# Altium PCB ROKET_SİGMA.PcbDoc (part 1 of 2)
Units mm, origin at the board's own origin, x right, y up, seen from the top; angles counter-clockwise.
Board outline 123.01 x 66 mm, 2 copper layers (Top Layer, Bottom Layer); 104 components, 83 nets, 451 pads, 77 vias.
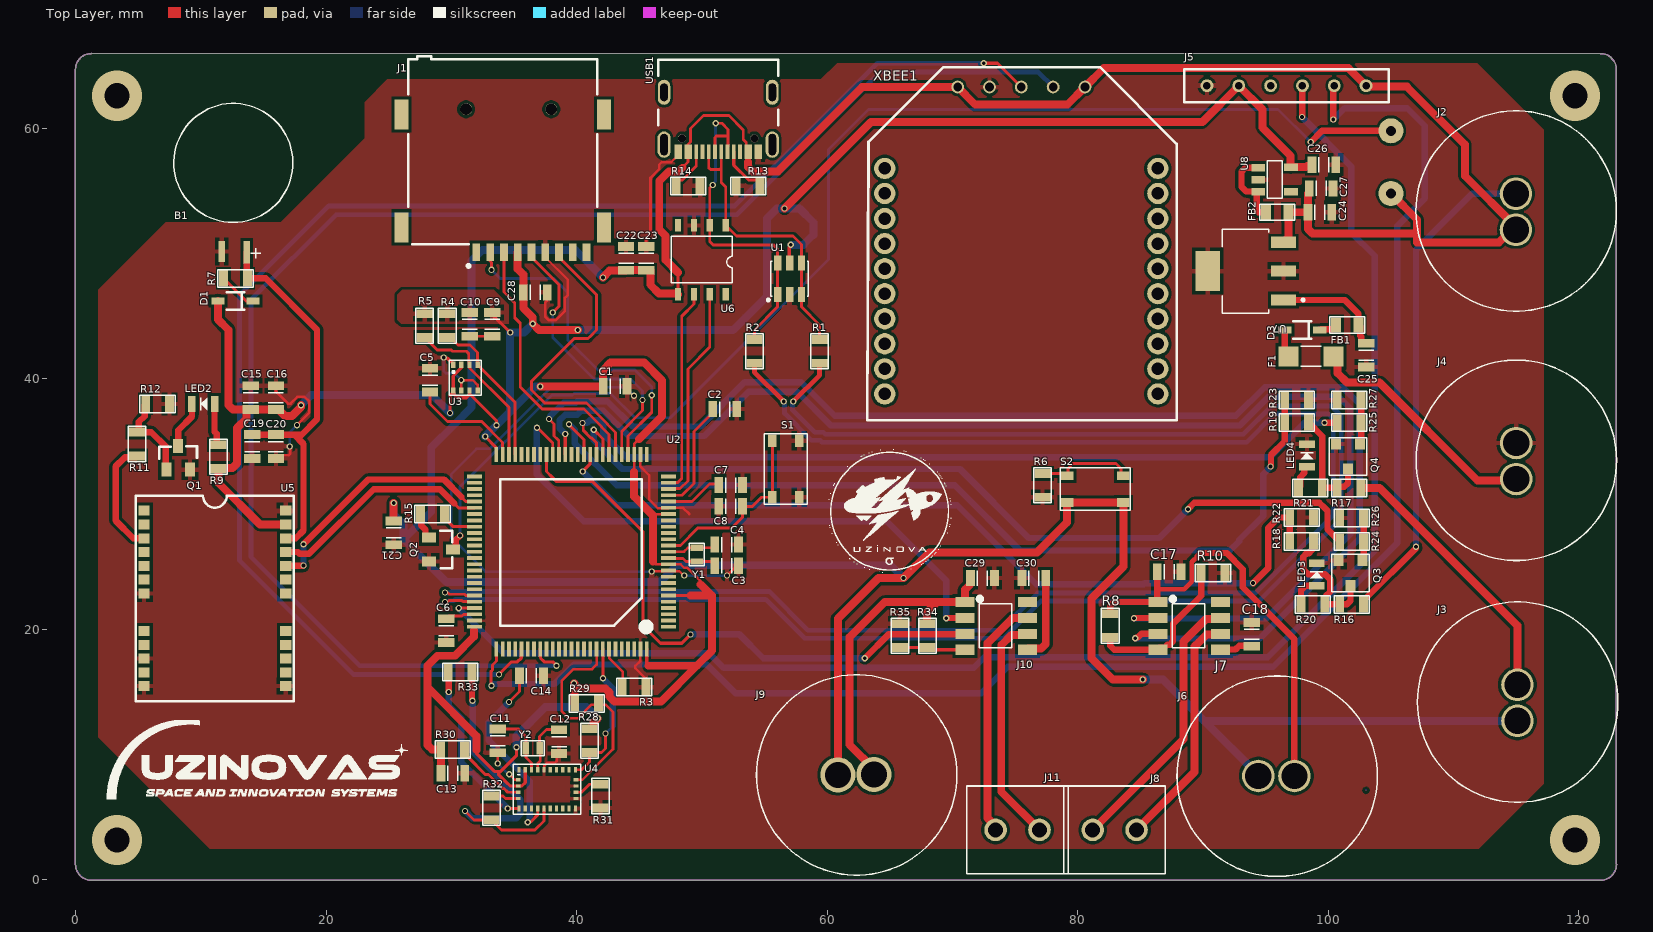
[diagram p0: Top Layer view]
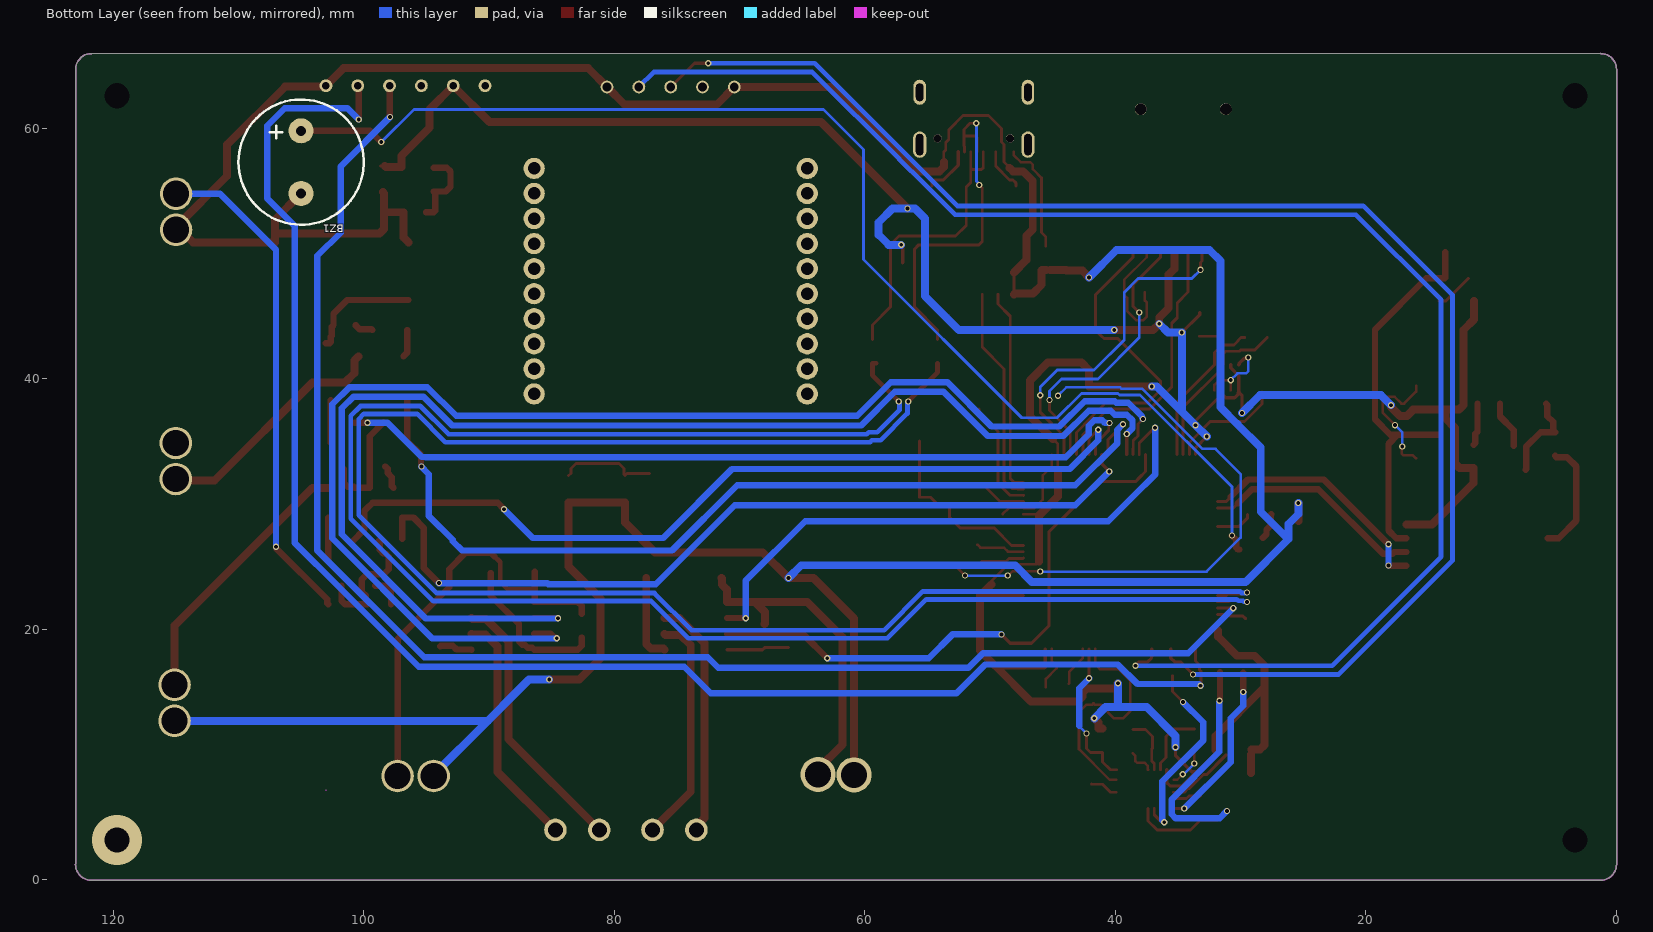
[diagram p1: Bottom Layer view, seen from below]
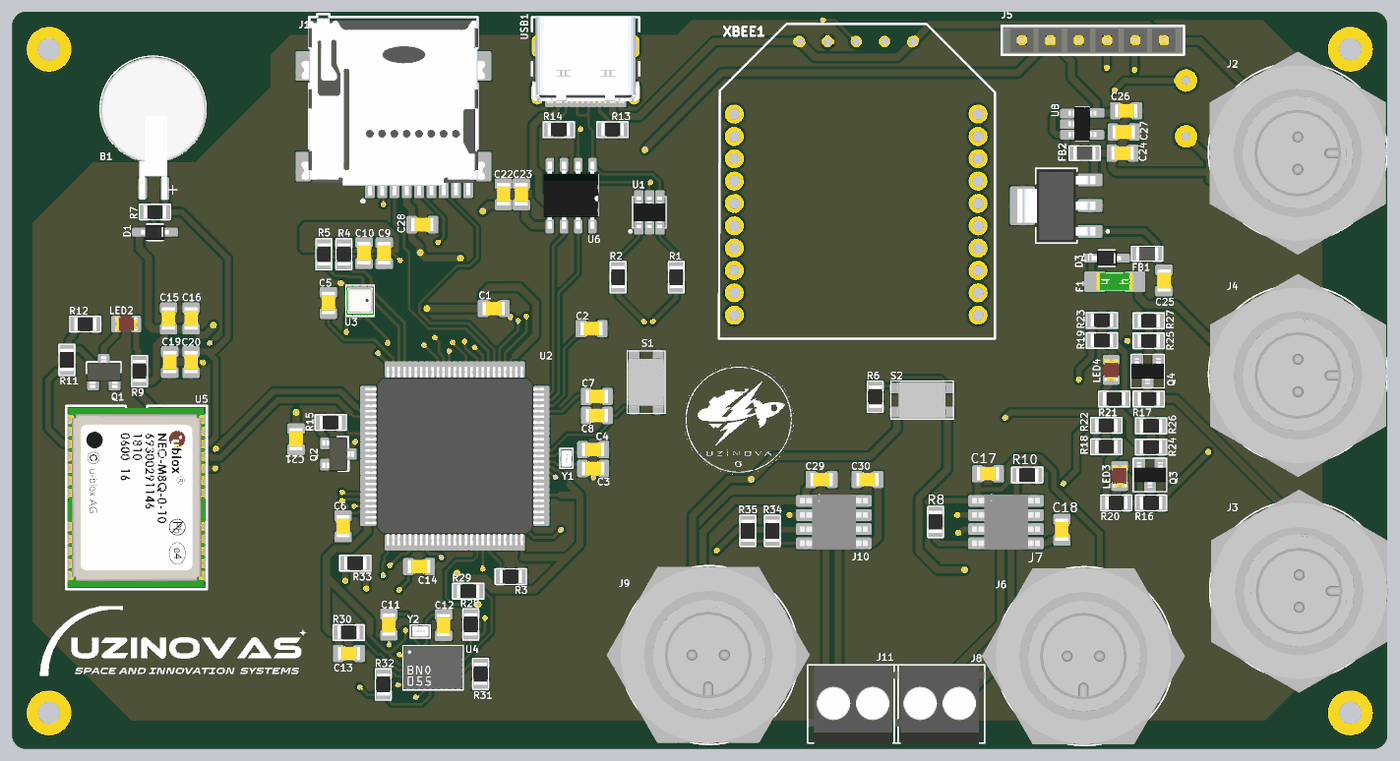
[diagram p3: 3D render of the assembled board from above, using the file's embedded part models]

## Layer stack, top to bottom
Top Solder: solder mask 0.0102, Solder Resist, Dk 3.5
Top Layer: signal copper 0.0356
Dielectric 1: dielectric 0.32, FR-4, Dk 4.8
Bottom Layer: signal copper 0.0356
Bottom Solder: solder mask 0.0102, Solder Resist, Dk 3.5

## Board outline
0,1.245 0,64.7 cw(c1.27,64.7) 1.27,65.97 1.27,65.974 121.7,65.969 121.73,65.97 cw(c121.73,64.7) 123,64.7 123,1.245 123.011,1.245 cw(c121.741,1.245) 121.741,-0.025 1.3,-0.025 1.27,-0.025 cw(c1.27,1.245)

## Design rules (kind name [scope] priority, off if disabled: settings)
Clearance [All] p1: gap=0.229 ignorepadtopadclearanceinfootprint=TRUE except(0: Arc-Text Track-Text SMDPad-Text THPad-Text Via-Text Fill-Text Poly-Text Region-Text Text-Text; 0.203: Arc-SMDPad Track-SMDPad SMDPad-SMDPad SMDPad-THPad THPad-THPad; 0.254: Arc-Arc Arc-Track Arc-THPad Arc-Via Track-Track Track-THPad Track-Via SMDPad-Via THPad-Via Via-Via)
ComponentClearance [All] p1: gap=0.127 collisioncheckmode=3 verticalgap=0 showdistances=FALSE
DiffPairsRouting [All] p1: maxlimit=0.254 minlimit=0.254 mostfreqgap=0.254 toplayer_minwidth=0.203 toplayer_maxwidth=0.381 toplayer_prefwidth=0.381 bottomlayer_minwidth=0.203 bottomlayer_maxwidth=0.381 bottomlayer_prefwidth=0.381 maxuncoupledlength=12.7
MinimumSolderMaskSliver [All] p1: minsoldermaskwidth=0.051
PasteMaskExpansion [All] p1: expansion=0.127
PlaneClearance [All] p1: clearance=0.762
PlaneConnect [All] p1: planeconnectstyle=Relief reliefexpansion=0.381 reliefentries=4 reliefconductorwidth=0.381 reliefairgap=0.254
PolygonConnect [All] p1: connectstyle=Relief reliefconductorwidth=0.381 reliefentries=4 polygonreliefangle="90 Angle" airgapwidth=0.254
RoutingCorners [All] p1: cornerstyle=45-Degree minsetback=2.032 maxsetback=2.032
RoutingVias [All] p1: holewidth=0.3 width=0.5 viastyle="Through Hole" minholewidth=0.25 minwidth=0.4 maxholewidth=0.5 maxwidth=1
SMDToCorner [All] p1: distance=0
SMDToPlane [All] p1: distance=150000
SilkToSilkClearance [All] p1 off: silktosilkclearance=0
SilkToSolderMaskClearance [IsPad] p1 off: minsilkscreentomaskgap=0.127 clearancetoexposedcopper=TRUE
SolderMaskExpansion [All] p1: expansion=0.05 istentingtop=FALSE
UnRoutedNet [All] p1: checkbadconnections=TRUE
Width [All] p1: maxlimit=1.778 minlimit=0.203 preferedwidth=0.279 minimp=50.000000 maximp=50.000000 favimp=50.000000
20 further rules are at their usual default settings.

## Classes and differential pairs
component class Sensor_Power: BZ1 C21 C22 C23 C24 C25 C26 C27 C28 D3 F1 FB1 FB2 J1 J2 J3 J4 LED3 LED4 Q2 Q3 Q4 R13 R14 R15 R16 R17 R18 R19 R20 R21 R22 R23 R24 R25 R26 R27 U6 U7 U8 USB1
component class Sensor_Board: B1 C9 C10 C11 C12 C13 C14 C15 C16 C19 C20 D1 LED2 Q1 R4 R5 R6 R7 R9 R11 R12 R28 R29 R30 R31 R32 R33 S2 U3 U4 U5 XBEE1 XBEE? Y2
component class Microcontroller: C1 C2 C3 C4 C5 C6 C7 C8 C17 C18 C29 C30 J5 J6 J7 J8 J9 J10 J11 R1 R2 R3 R8 R10 R34 R35 S1 U1 U2 Y1
differential pair USB: +USB_P -USB_N
differential pair MCU: +MCU_P -MCU_N

## Components (designator, comment, footprint, x,y, rotation, side; value= is the part's Value field where it differs from the comment)
B1 "MS920SE-FL27E" MS920SE_BATTERY 12.675,50.125 r270 top
BZ1 "CMI-9605IC-0580T" BUZZER 105,57.3 r180 bottom
C1 "CAP CER 1uF 0805" CAP_0805 43.075,39.4 r0 top
C2 "CAP CER 10nF 0805" CAP_0805 51.826,37.59 r180 top
C3 "CAP CER 20pF 0805" CAP_0805 51.975,25.075 r180 top
C4 "CAP CER 20pF 0805" CAP_0805 51.975,26.775 r180 top
C5 "CAP CER 2.2uF 0805" CAP_0805 28.3,39.9 r270 top
C6 "CAP CER 2.2uF 0805" CAP_0805 29.6,19.9 r90 top
C7 "CAP CER 10nF 0805" CAP_0805 52.3,31.525 r180 top
C8 "CAP CER 0.1uF 0805" CAP_0805 52.3,29.825 r0 top
C9 "CAP CER 100nF 0805" CAP_0805 33.275,44.35 r90 top
C10 "CAP CER 100nF 0805" CAP_0805 31.475,44.35 r90 top
C11 "CAP CER 22pF 0805" CAP_0805 33.7,11.1 r270 top
C12 "CAP CER 22pF 0805" CAP_0805 38.6,11.05 r270 top
C13 "CAP CER 100nF 0805" CAP_0805 30.125,8.525 r0 top
C14 "CAP CER 1uF 0805" CAP_0805 36.4,16.3 r180 top
C15 "CAP CER 10uF 0805" CAP_0805 14,38.5 r270 top
C16 "CAP CER 100nF 0805" CAP_0805 16,38.5 r270 top
C17 "CAP CER 1uF 0805" CAP_0805 87.3,24.6 r180 top
C18 "CAP CER 10uF 0805" CAP_0805 93.9,19.6 r270 top
C19 "CAP CER 4.7uF 0805" CAP_0805 14.1,34.6 r90 top
C20 "CAP CER 100nF 0805" CAP_0805 16,34.6 r90 top
C21 "CAP CER 100nF 0805" CAP_0805 25.4,27.7 r90 top
C22 "CAP CER 100nF 0805" CAP_0805 43.95,49.625 r270 top
C23 "CAP CER 100nF 0805" CAP_0805 45.55,49.625 r270 top
C24 "CAP CER 10uF 0805" CAP_0805 99.325,53.3 r180 top
C25 "CAP CER 10uF 0805" CAP_0805 103.025,41.9 r90 top
C26 "CAP CER 1uF 0805" CAP_0805 99.65,57.1 r180 top
C27 "CAP CER 1uF 0805" CAP_0805 99.425,55.2 r180 top
C28 "CAP CER 100nF 0805" CAP_0805 36.7,46.9 r180 top
C29 "CAP CER 1uF 0805" CAP_0805 72.4,24.1 r180 top
C30 "CAP CER 10uF 0805" CAP_0805 76.5,24.1 r0 top
D1 "DIODE GEN PURP 75V 150MA SOD323F" SOD323F 12.775,46.225 r180 top
D3 "DIODE GEN PURP 75V 150MA SOD323F" SOD323F 97.925,43.9 r180 top
F1 "FUSE 3413.0216.22" FUSE_1206 98.625,41.8 r180 top
FB1 "MPZ2012S601AT000" "FERRITE BEAD_0805" 101.525,44.3 r0 top
FB2 "MPZ2012S601AT000" "FERRITE BEAD_0805" 95.925,53.3 r180 top
J1 "MEM2075-00-140-01-A" "SD CARD" 34.58,61.52 r180 top
J2 "Mike Connector" "MIKE CONNECTOR"#1 114.983,53.338 r180 top
J3 "Mike Connector" "MIKE CONNECTOR"#1 115.1,14.138 r180 top
J4 "Mike Connector" "MIKE CONNECTOR"#1 115,33.438 r180 top
J5 "Programlama" PPTC061LFBN-RC 96.67,63.4 r180 top
J6 "Mike Connector" "MIKE CONNECTOR"#1 95.862,8.3 r90 top
J7 "ZXBM5210-SP-13" SO-8EP 88.9,20.281 r270 top
J8 "HEADER x2" "HEADER x2" 82.95,4 r180 top
J9 "Mike Connector" "MIKE CONNECTOR"#2 62.3,8.4 r90 top
J10 "ZXBM5210-SP-13" SO-8EP 73.5,20.281 r270 top
J11 "HEADER x2" "HEADER x2" 75.2,4 r180 top
LED2 "CMD17-21VRD/TR8" "LED RED_0805" 10.2,38 r0 top
LED3 "CMD17-21VRD/TR8" "LED RED_0805" 99.075,24.4 r270 top
LED4 "CMD17-21VRD/TR8" "LED RED_0805" 98.3,33.9 r270 top
Q1 "MMBT3904-7-F" SOT_23F 8.2,33.7 r0 top
Q2 "MMBT3904-7-F" SOT_23F 29.175,26.375 r270 top
Q3 "NTR5103NT1G" SOT-23-3 101.775,24.5 r180 top
Q4 "NTR5103NT1G" SOT-23-3 101.575,33.8 r180 top
R1 "RES 15 OHM 0805" RES_0805 59.4,42.2 r90 top
R2 "RES 15 OHM 0805" RES_0805 54.2,42.2 r90 top
R3 "RES 10K OHM 0805" RES_0805 44.6,15.4 r180 top
R4 "RES 4.7K OHM 0805" RES_0805 29.675,44.25 r90 top
R5 "RES 4.7K OHM 0805" RES_0805 27.875,44.25 r90 top
R6 "RES 10K OHM 0805" RES_0805 77.2,31.5 r90 top
R7 "RES 1K OHM 0805" RES_0805 12.775,48.025 r180 top
R8 "RES 1K OHM 0805" RES_0805 82.6,20.3 r90 top
R9 "RES 1K OHM 0805" RES_0805 11.4,33.8 r270 top
R10 "RES 1K OHM 0805" RES_0805 90.8,24.5 r180 top
R11 "RES 10K OHM 0805" RES_0805 4.9,34.8 r90 top
R12 "RES 10K OHM 0805" RES_0805 6.55,38 r180 top
R13 "RES 10K OHM 0805" RES_0805 53.7,55.4 r0 top
R14 "RES 10K OHM 0805" RES_0805 48.9,55.4 r180 top
R15 "RES 100 OHM 0805" RES_0805 28.5,29.2 r180 top
R16 "RES 0 OHM 0805" RES_0805 101.875,22 r0 top
R17 "RES 0 OHM 0805" RES_0805 101.675,31.3 r0 top
R18 "RES 20K OHM 0805" RES_0805 97.875,27.031 r180 top
R19 "RES 20K OHM 0805" RES_0805 97.475,36.531 r180 top
R20 "RES 470 OHM 0805" RES_0805 98.775,22 r0 top
R21 "RES 470 OHM 0805" RES_0805 98.575,31.3 r0 top
R22 "RES 10K OHM 0805" RES_0805 97.875,28.931 r180 top
R23 "RES 10K OHM 0805" RES_0805 97.475,38.331 r180 top
R24 "RES 1K OHM 0805" RES_0805 101.875,27 r0 top
R25 "RES 1K OHM 0805" RES_0805 101.675,36.5 r0 top
R26 "RES 10K OHM 0805" RES_0805 101.875,28.9 r0 top
R27 "RES 10K OHM 0805" RES_0805 101.675,38.3 r0 top
R28 "RES 10K OHM 0805" RES_0805 41.025,11.125 r90 top
R29 "RES 10K OHM 0805" RES_0805 40.8,14.1 r0 top
R30 "RES 10K OHM 0805" RES_0805 30.1,10.4 r180 top
R31 "RES 10K OHM 0805" RES_0805 41.9,6.7 r90 top
R32 "RES 10K OHM 0805" RES_0805 33.2,5.75 r90 top
R33 "RES 10K OHM 0805" RES_0805 30.7,16.6 r180 top
R34 "RES 1K OHM 0805" RES_0805 68,19.5 r90 top
R35 "RES 1K OHM 0805" RES_0805 65.8,19.5 r270 top
S1 "PTS815 SJG 250 SMTR LFS" BUTTON 56.7,32.8 r90 top
S2 "PTS815 SJG 250 SMTR LFS" BUTTON 81.4,31.2 r0 top
U1 "USBLC6-2SC6" SOT-23-6L 57,48 r90 top
U2 "STM32F407VGT6" LQFP-100 39.597,26.199 r90 top
U3 "BME280" BME280 31.175,40.1 r180 top
U4 "BNO055" BNO055 37.65,7.25 r0 top
U5 "NEO-M8M-0" NEO-M8-GPS 11.125,22.475 r0 top
U6 "CH340N" SOP-8 50,49.5 r180 top
U7 "5V_LDO" 5V_LDO 93.4,48.6 r180 top
U8 "NCP161ASN330T1G" SOT-23-5 95.721,55.927 r270 top
USB1 "USB4125-GF-A" "USB4125-GF-A / TYPE C USB" 51.3,60.5 r180 top
XBEE1 "XB3-24Z8ST-J" XBEE3 75.5,47.8 r0 top
Y1 "CRYSTAL 32.7680KHZ 12.5PF SMD" CRYSTAL_ABS05 49.575,25.975 r270 top
Y2 "CRYSTAL 32.7680KHZ 12.5PF SMD" CRYSTAL_ABS05 36.5,10.5 r0 top

## Footprints (in the part's own frame and the unit in brackets; to place one, negate y for a bottom-side part, rotate by r counter-clockwise, add the part's x,y. Pads: shape width x height; smd on the part's side, far side on the other; paste and mask are expansions set on the pad)
5V_LDO [mm]
  rect 1.97x0.89 smd mask+0.05: 1(-3.025,2.3) 2(-3.025,0) 3(-3.025,-2.3)
  rect 1.97x3.19 smd mask+0.05: 4(3.025,0)
  silkscreen extent -4.7,-3.35 1.85,3.35, body extent -3.5,-3.25 3.5,3.25, height 1.8
BME280 [mm]
  rect 0.35x0.5 smd mask+0.05: 1(1.025,-1.025) 2(0.375,-1.025) 3(-0.275,-1.025) 4(-0.925,-1.025) 5(-0.925,1.025) 6(-0.275,1.025) 7(0.375,1.025) 8(1.025,1.025)
  silkscreen extent -1.22,-1.4 1.33,1.4, body extent -1.2,-1.25 1.3,1.25, height 0.94
BNO055 [mm]
  rect 0.25x0.475 smd mask+0.05: 1(-2.25,1.55) 6(-2.25,-1.55) 7(-1.75,-1.55) 8(-1.25,-1.55) 9(-0.75,-1.55) 10(-0.25,-1.55) 11(0.25,-1.55) 12(0.75,-1.55) 13(1.25,-1.55) 14(1.75,-1.55) 15(2.25,-1.55) 20(2.25,1.55) 21(1.75,1.55) 22(1.25,1.55) 23(0.75,1.55) 24(0.25,1.55) 25(-0.25,1.55) 26(-0.75,1.55) 27(-1.25,1.55) 28(-1.75,1.55)
  rect 0.375x0.25 smd mask+0.05: 2(-2.3,0.75) 3(-2.3,0.25) 4(-2.3,-0.25) 5(-2.3,-0.75) 16(2.3,-0.75) 17(2.3,-0.25) 18(2.3,0.25) 19(2.3,0.75)
  silkscreen extent -2.7,-2 2.7,2, body extent -2.6,-1.9 2.6,1.9, height 1.18
BUTTON [mm]
  rect 1x0.7 smd mask+0.05: 1(-2.25,1.075) 2(2.25,1.075) 3(-2.25,-1.075) 4(2.25,-1.075)
  silkscreen extent -2.8,-1.7 2.8,1.7, body extent -2.25,-1.6 2.25,1.6, height 2.5
BUZZER [mm]
  round 2 hole 0.8 mask+0.05: 1(0,2.5) 2(0,-2.5)
  silkscreen extent -5,-5 5,5, body extent -4.8,-4.8 4.8,5.8, height 5.2
CAP_0805 [mm]
  rect 0.7x1.3 smd mask+0.05: 1(-0.95,0) 2(0.95,0)
  silkscreen extent -0.4,-0.6 0.4,0.6, body extent -1,-0.6 1,0.6, height 1
CRYSTAL_ABS05 [mm]
  rect 0.5x1 smd mask+0.05: 1(-0.55,0) 2(0.55,0)
  silkscreen extent -0.9,-0.6 0.9,0.6, body extent -0.8,-0.5 0.8,0.5, height 0.52
"FERRITE BEAD_0805" [mm]
  rect 0.8x1.2 smd mask+0.05: 1(-0.9,0) 2(0.889,0)
  silkscreen extent -1.4,-0.65 1.4,0.65, body extent -1,-0.6 1,0.6, height 0.91
FUSE_1206 [mm]
  rect 1.6x1.6 smd mask+0.05: 1(-1.8,0) 2(1.8,0)
  silkscreen extent -0.8,-0.8 0.8,0.8, body extent -1.61,-0.8 1.61,0.8, height 0.6
"HEADER x2" [mm]
  round 1.8 hole 1.2: 1(-1.75,0) 2(1.75,0)
  silkscreen extent -4.05,-3.5 4.05,3.5, body extent -4.03,-3.45 3.97,3.55, height 8.31
"LED RED_0805" [mm]
  rect 0.6x1.25 smd mask+0.05: 1(0.9,0) 2(-0.9,0)
  silkscreen extent -0.2,-0.5 0.3,0.5, body extent -1,-0.62 1,0.62, height 1.12
LQFP-100 [mm]
  rect 0.3x1.2 smd mask+0.05: 1(-5.995,-7.75) 2(-5.495,-7.75) 3(-4.995,-7.75) 4(-4.495,-7.75) 5(-3.995,-7.75) 6(-3.495,-7.75) 7(-2.995,-7.75) 8(-2.495,-7.75) 9(-1.995,-7.75) 10(-1.495,-7.75) 11(-0.995,-7.75) 12(-0.495,-7.75) 13(0.005,-7.75) 14(0.505,-7.75) 15(1.005,-7.75) 16(1.505,-7.75) 17(2.005,-7.75) 18(2.505,-7.75) 19(3.005,-7.75) 20(3.505,-7.75) 21(4.005,-7.75) 22(4.505,-7.75) 23(5.005,-7.75) 24(5.505,-7.75) 25(6.005,-7.75) 51(6.005,7.75) 52(5.505,7.75) 53(5.005,7.75) 54(4.505,7.75) 55(4.005,7.75) 56(3.505,7.75) 57(3.005,7.75) 58(2.505,7.75) 59(2.005,7.75) 60(1.505,7.75) 61(1.005,7.75) 62(0.505,7.75) 63(0.005,7.75) 64(-0.495,7.75) 65(-0.995,7.75) 66(-1.495,7.75) 67(-1.995,7.75) 68(-2.495,7.75) 69(-2.995,7.75) 70(-3.495,7.75) 71(-3.995,7.75) 72(-4.495,7.75) 73(-4.995,7.75) 74(-5.495,7.75) 75(-5.995,7.75)
  rect 1.2x0.3 smd mask+0.05: 26(7.755,-6) 27(7.755,-5.5) 28(7.755,-5) 29(7.755,-4.5) 30(7.755,-4) 31(7.755,-3.5) 32(7.755,-3) 33(7.755,-2.5) 34(7.755,-2) 35(7.755,-1.5) 36(7.755,-1) 37(7.755,-0.5) 38(7.755,0) 39(7.755,0.5) 40(7.755,1) 41(7.755,1.5) 42(7.755,2) 43(7.755,2.5) 44(7.755,3) 45(7.755,3.5) 46(7.755,4) 47(7.755,4.5) 48(7.755,5) 49(7.755,5.5) 50(7.755,6) 76(-7.755,6) 77(-7.755,5.5) 78(-7.755,5) 79(-7.755,4.5) 80(-7.755,4) 81(-7.755,3.5) 82(-7.755,3) 83(-7.755,2.5) 84(-7.755,2) 85(-7.755,1.5) 86(-7.755,1) 87(-7.755,0.5) 88(-7.755,0) 89(-7.755,-0.5) 90(-7.755,-1) 91(-7.755,-1.5) 92(-7.755,-2) 93(-7.755,-2.5) 94(-7.755,-3) 95(-7.755,-3.5) 96(-7.755,-4) 97(-7.755,-4.5) 98(-7.755,-5) 99(-7.755,-5.5) 100(-7.755,-6)
  silkscreen extent -6.19,-6.15 5.8,5.7, body extent -8,-8 8.01,8, height 1.6
"MIKE CONNECTOR"#1 [mm]
  round 2.6 hole 2.1 mask+0.05: 1(0,1.438) 2(0,-1.438)
  silkscreen extent -8.02,-8.06 7.98,7.93, body extent -7.95,-9.05 7.92,9.13, height 18.14
"MIKE CONNECTOR"#2 [mm]
  round 2.8 hole 2.1: 1(-0.017,1.438) 2(0.018,-1.438)
  silkscreen extent -8.01,-8.06 7.98,7.94, body extent -7.95,-9.05 7.92,9.13, height 18.14
MS920SE_BATTERY [mm]
  rect 1.8x0.5 smd mask+0.05: 1(0.012,1)
  rect 1.7x0.5 smd mask+0.05: 2(-0.037,-1)
  silkscreen extent -11.86,-4.82 0.5,4.68, body extent -11.8,-4.8 1,4.7, height 2.86
NEO-M8-GPS [mm]
  rect 0.9x0.8 smd mask+0.05: 1(-5.65,7) 2(-5.65,5.9) 3(-5.65,4.8) 4(-5.65,3.7) 5(-5.65,2.6) 6(-5.65,1.5) 7(-5.65,0.4) 8(-5.65,-2.6) 9(-5.65,-3.7) 10(-5.65,-4.8) 11(-5.65,-5.9) 12(-5.65,-7) 13(5.65,-7) 14(5.65,-5.9) 15(5.65,-4.8) 16(5.65,-3.7) 17(5.65,-2.6) 18(5.65,0.4) 19(5.65,1.5) 20(5.65,2.6) 21(5.65,3.7) 22(5.65,4.8) 23(5.65,5.9) 24(5.65,7)
  silkscreen extent -6.3,-8.2 6.3,8.2, body extent -6.1,-8 6.1,8, height 2.39
PPTC061LFBN-RC [mm]
  round 1.02 hole 0.6 mask+0.05: 1(-6.35,0) 2(-3.81,0) 3(-1.27,0) 4(1.27,0) 5(3.81,0) 6(6.35,0)
  silkscreen extent -8.15,-1.3 8.15,1.3, body extent -8.05,-1.2 8.05,1.2, height 8.3
RES_0805 [mm]
  rect 0.7x1.3 smd mask+0.05: 1(-0.95,0) 2(0.95,0)
  silkscreen extent -1.4,-0.7 1.4,0.7, body extent -1,-0.6 1,0.6, height 0.45
"SD CARD" [mm]
  rect 0.62x1.4 smd mask+0.05: P1(2.58,11.42) P2(1.48,11.42) P3(0.38,11.42) P4(-0.72,11.42) P5(-1.82,11.42) P6(-2.92,11.42) P7(-4.02,11.42) P8(-5.12,11.42) P9(-6.22,11.42)
  rect 1.1x2.4 smd mask+0.05: SH1(-7.6,0.42) SH2(-7.6,9.42) SH3(8.55,9.42) SH4(8.55,0.42)
  round 0.95 hole 0.95 unplated: ""(-3.4,0) ""(3.4,0)
  silkscreen extent -7.05,-4.23 8,12.62, body extent -7.74,-3.87 8.7,11.98, height 1.46
SO-8EP [mm]
  rect 0.802x1.505 smd mask+0.05: 1(-1.905,-2.497) 2(-0.635,-2.497) 3(0.635,-2.497) 4(1.905,-2.497) 5(1.905,2.498) 6(0.635,2.498) 7(-0.635,2.498) 8(-1.905,2.498)
  silkscreen extent -2.29,-1.44 1.75,1.25, body extent -2.48,-3.05 2.47,3.05, height 1.5
SOD323F [mm]
  rect 1.05x0.55 smd mask+0.05: 1(-1.4,0) 2(1.4,0)
  silkscreen extent -0.7,-0.7 0.7,0.7, body extent -1.25,-0.67 1.25,0.68, height 1.01
SOP-8 [mm]
  rect 0.5x1 smd mask+0.05: 1(-1.905,-2.75) 2(-0.635,-2.75) 3(0.635,-2.75) 4(1.905,-2.75) 5(1.905,2.75) 6(0.635,2.75) 7(-0.635,2.75) 8(-1.905,2.75)
  silkscreen extent -2.43,-1.9 2.42,1.82, body extent -2.44,-3.02 2.46,2.96, height 1.57
SOT-23-3 [mm]
  rect 0.8x0.9 smd mask+0.05: 1(-0.95,-1) 2(0.95,-1) 3(0,1)
  silkscreen extent -1.5,-1.5 1.5,1.5, body extent -1.45,-1.15 1.45,1.15, height 1.01
SOT-23-5 [mm]
  rect 0.6x1.1 smd mask+0.05: 1(-0.927,-1.304) 2(0.023,-1.304) 3(0.973,-1.304) 4(0.973,1.304) 5(-0.973,1.304)
  silkscreen extent -1.5,-0.6 1.5,0.6, body extent -1.5,-1.25 1.5,1.25, height 1.11
SOT-23-6L [mm]
  rect 1.21x0.59 smd mask+0.05: 1(-1.255,0.95) 2(-1.255,0) 3(-1.255,-0.95) 4(1.255,-0.95) 5(1.255,0) 6(1.255,0.95)
  silkscreen extent -1.8,-1.5 1.4,1.8, body extent -1.4,-1.45 1.4,1.45, height 1.18
SOT_23F [mm]
  rect 0.8x1.11 smd mask+0.05: 1(-0.95,-0.95) 2(0.95,-0.95) 3(0,0.95)
  silkscreen extent -1.51,-0.07 1.5,0.91, body extent -1.5,-1.42 1.5,1.42, height 1.2
"USB4125-GF-A / TYPE C USB" [mm]
  rect 0.6x1.15 smd mask+0.05: A1-B12(-3.2,2.378) A4-B9(-2.4,2.378) B1-A12(3.2,2.378) B4-A9(2.4,2.378)
  rect 0.3x1.15 smd mask+0.05: A5(-1.25,2.378) A6(-0.25,2.378) A7(0.25,2.378) A8(1.25,2.378) B5(1.75,2.378) B6(0.75,2.378) B7(-0.75,2.378) B8(-1.75,2.378)
  oval 1.05x2.1 hole 0.6 slot 1.7 at 90 deg: S1(-4.32,1.803) S4(4.32,1.803)
  oval 1x2 hole 0.6 slot 1.4 at 90 deg: S2(-4.32,-2.378) S3(4.32,-2.378)
  round 0.65 hole 0.65 unplated: ""(-2.89,1.302) ""(2.89,1.302)
  silkscreen extent -4.79,-4.98 4.79,0.27, body extent -4.79,-4.98 4.79,2.73, height 3.31
XBEE3 [mm]
  round 1.7 hole 1 mask+0.05: 1(-10.9,9) 2(-10.9,7) 3(-10.9,5) 4(-10.9,3) 5(-10.9,1) 6(-10.9,-1) 7(-10.9,-3) 8(-10.9,-5) 9(-10.9,-7) 10(-10.9,-9) 11(10.9,-9) 12(10.9,-7) 13(10.9,-5) 14(10.9,-3) 15(10.9,-1) 16(10.9,1) 17(10.9,3) 18(10.9,5) 19(10.9,7) 20(10.9,9)
  round 1.02 hole 0.7 mask+0.05: 21(-5.08,15.5) 22(-2.54,15.5) 23(0,15.5) 24(2.54,15.5) 25(5.08,15.5)
  silkscreen extent -12.28,-11.1 12.4,17.08

## Part data
B1: library part BATTERY, "Lithium Battery Coin 3V 11mAh Rechargeable Tray", Capacity=0.011ah, Manufacturer=Epson, Max Operating Temperature=60°C, Min Operating Temperature=-20°C, Supplier Part Number 1=728-1058-ND, Voltage=3V, Chemistry/Technology=Lithium, ComponentLink1Description=http://speed.sii.co.jp/data/file_PRODUCT_MASTER_50112_TITLE_IMAGESP.pdf?src-supplier=Avnet, ComponentLink1URL=http://speed.sii.co.jp/data/file_PRODUCT_MASTER_50112_TITLE_IMAGESP.pdf?src-supplier=Avnet, Manufacturer Part Number=MS920SE-FL27E, Mount=Screw, Number of Cells=1, Pricing 1="1=2,520000, 10=2,091000, 50=1,844000, 100=1,741000, 300=1,617400, 500=1,535000, 1000=1,452580, 2500=1,380470 (USD)", RoHS=No, Stock 1=17863, Supplier 1=Digi-Key
BZ1: library part BUZZER, "Audio Buzzer Magnetic 3VDC 7VDC 30mA 5VDC 85dB 2600Hz to 2800Hz Through Hole Pin Box", Manufacturer="CUI Devices", Supplier Part Number 1=2223-CMI-9605IC-0580T-ND, Category="Audio Products", Manufacturer Part Number=CMI-9605IC-0580T, Pricing 1="1=1,43000, 10=1,19000, 25=1,10160, 50=1,03700, 100=0,97450, 500=0,83848, 1000=0,78382, 5000=0,76810 (USD)", RoHS=No, Stock 1=6842, Supplier 1=Digi-Key
D1 D3: library part DIODE, "VR=75V IF=150mA Trr=4ns P=200mW", Average Rectified Current=150mA, Forward Voltage=1V, Manufacturer="ON Semiconductor / Fairchild", Manufacturer Part Number=1N4148WS, Max Forward Surge Current (Ifsm)=2A, Max Operating Temperature=150°C, Max Repetitive Reverse Voltage (Vrrm)=75V, Max Reverse Current=5uA, Min Operating Temperature=-55°C, Package Quantity=1, Power Dissipation=200mW, Supplier Part Number 1=1N4148WSFSDKR-ND, Category="Rectifier Diodes", ComponentLink1Description=https://datasheet.ciiva.com/30479/0900766b810e1cd3-30479206.pdf?src-supplier=Rs, ComponentLink1URL=https://datasheet.ciiva.com/30479/0900766b810e1cd3-30479206.pdf?src-supplier=Rs, ComponentLink2Description=https://datasheet.ciiva.com/15208/getdatasheetpartid-127819-15208358.pdf?src-supplier=Verical, ComponentLink2URL=https://datasheet.ciiva.com/15208/getdatasheetpartid-127819-15208358.pdf?src-supplier=Verical, ComponentLink3Description=https://datasheet.ciiva.com/8300/1n914bws-8300360.pdf?src-supplier=Avnet, ComponentLink3URL=https://datasheet.ciiva.com/8300/1n914bws-8300360.pdf?src-supplier=Avnet, ComponentLink4Description=https://datasheet.ciiva.com/910/1n4148ws-910381.pdf?src-supplier=Digi-Key, ComponentLink4URL=https://datasheet.ciiva.com/910/1n4148ws-910381.pdf?src-supplier=Digi-Key, ComponentLink5Description=https://datasheet.ciiva.com/910/1n4148ws-910382.pdf?src-supplier=Digi-Key, ComponentLink5URL=https://datasheet.ciiva.com/910/1n4148ws-910382.pdf?src-supplier=Digi-Key, ComponentLink6Description=https://datasheet.ciiva.com/910/1n4148ws-910380.pdf?src-supplier=Digi-Key, ComponentLink6URL=https://datasheet.ciiva.com/910/1n4148ws-910380.pdf?src-supplier=Digi-Key, Contact Plating=Tin,Matte, Element Configuration=Single, Forward Current=150mA, Height=1mm, Lead Free="Lead Free", Length=1.8mm, Max Reverse Voltage (DC)=75V, Mount="Surface Mount", Number of Pins=2, Packaging="Tape and Reel", Pricing 1="1=0,21000, 10=0,19200, 100=0,10460, 500=0,06436, 1000=0,04388 (USD)", Radiation Hardening=No, Reach SVHC Compliant=Yes, Recovery Time=4ns, Reverse Recovery Time=4ns, Reverse Voltage=75V, RoHS=Yes, RoHS Compliant=Yes, Series=-, Stock 1=973654, Supplier 1=Digi-Key, Weight=0.0276g, Width=1.35mm